# KiCad board lb_mp1.kicad_pcb
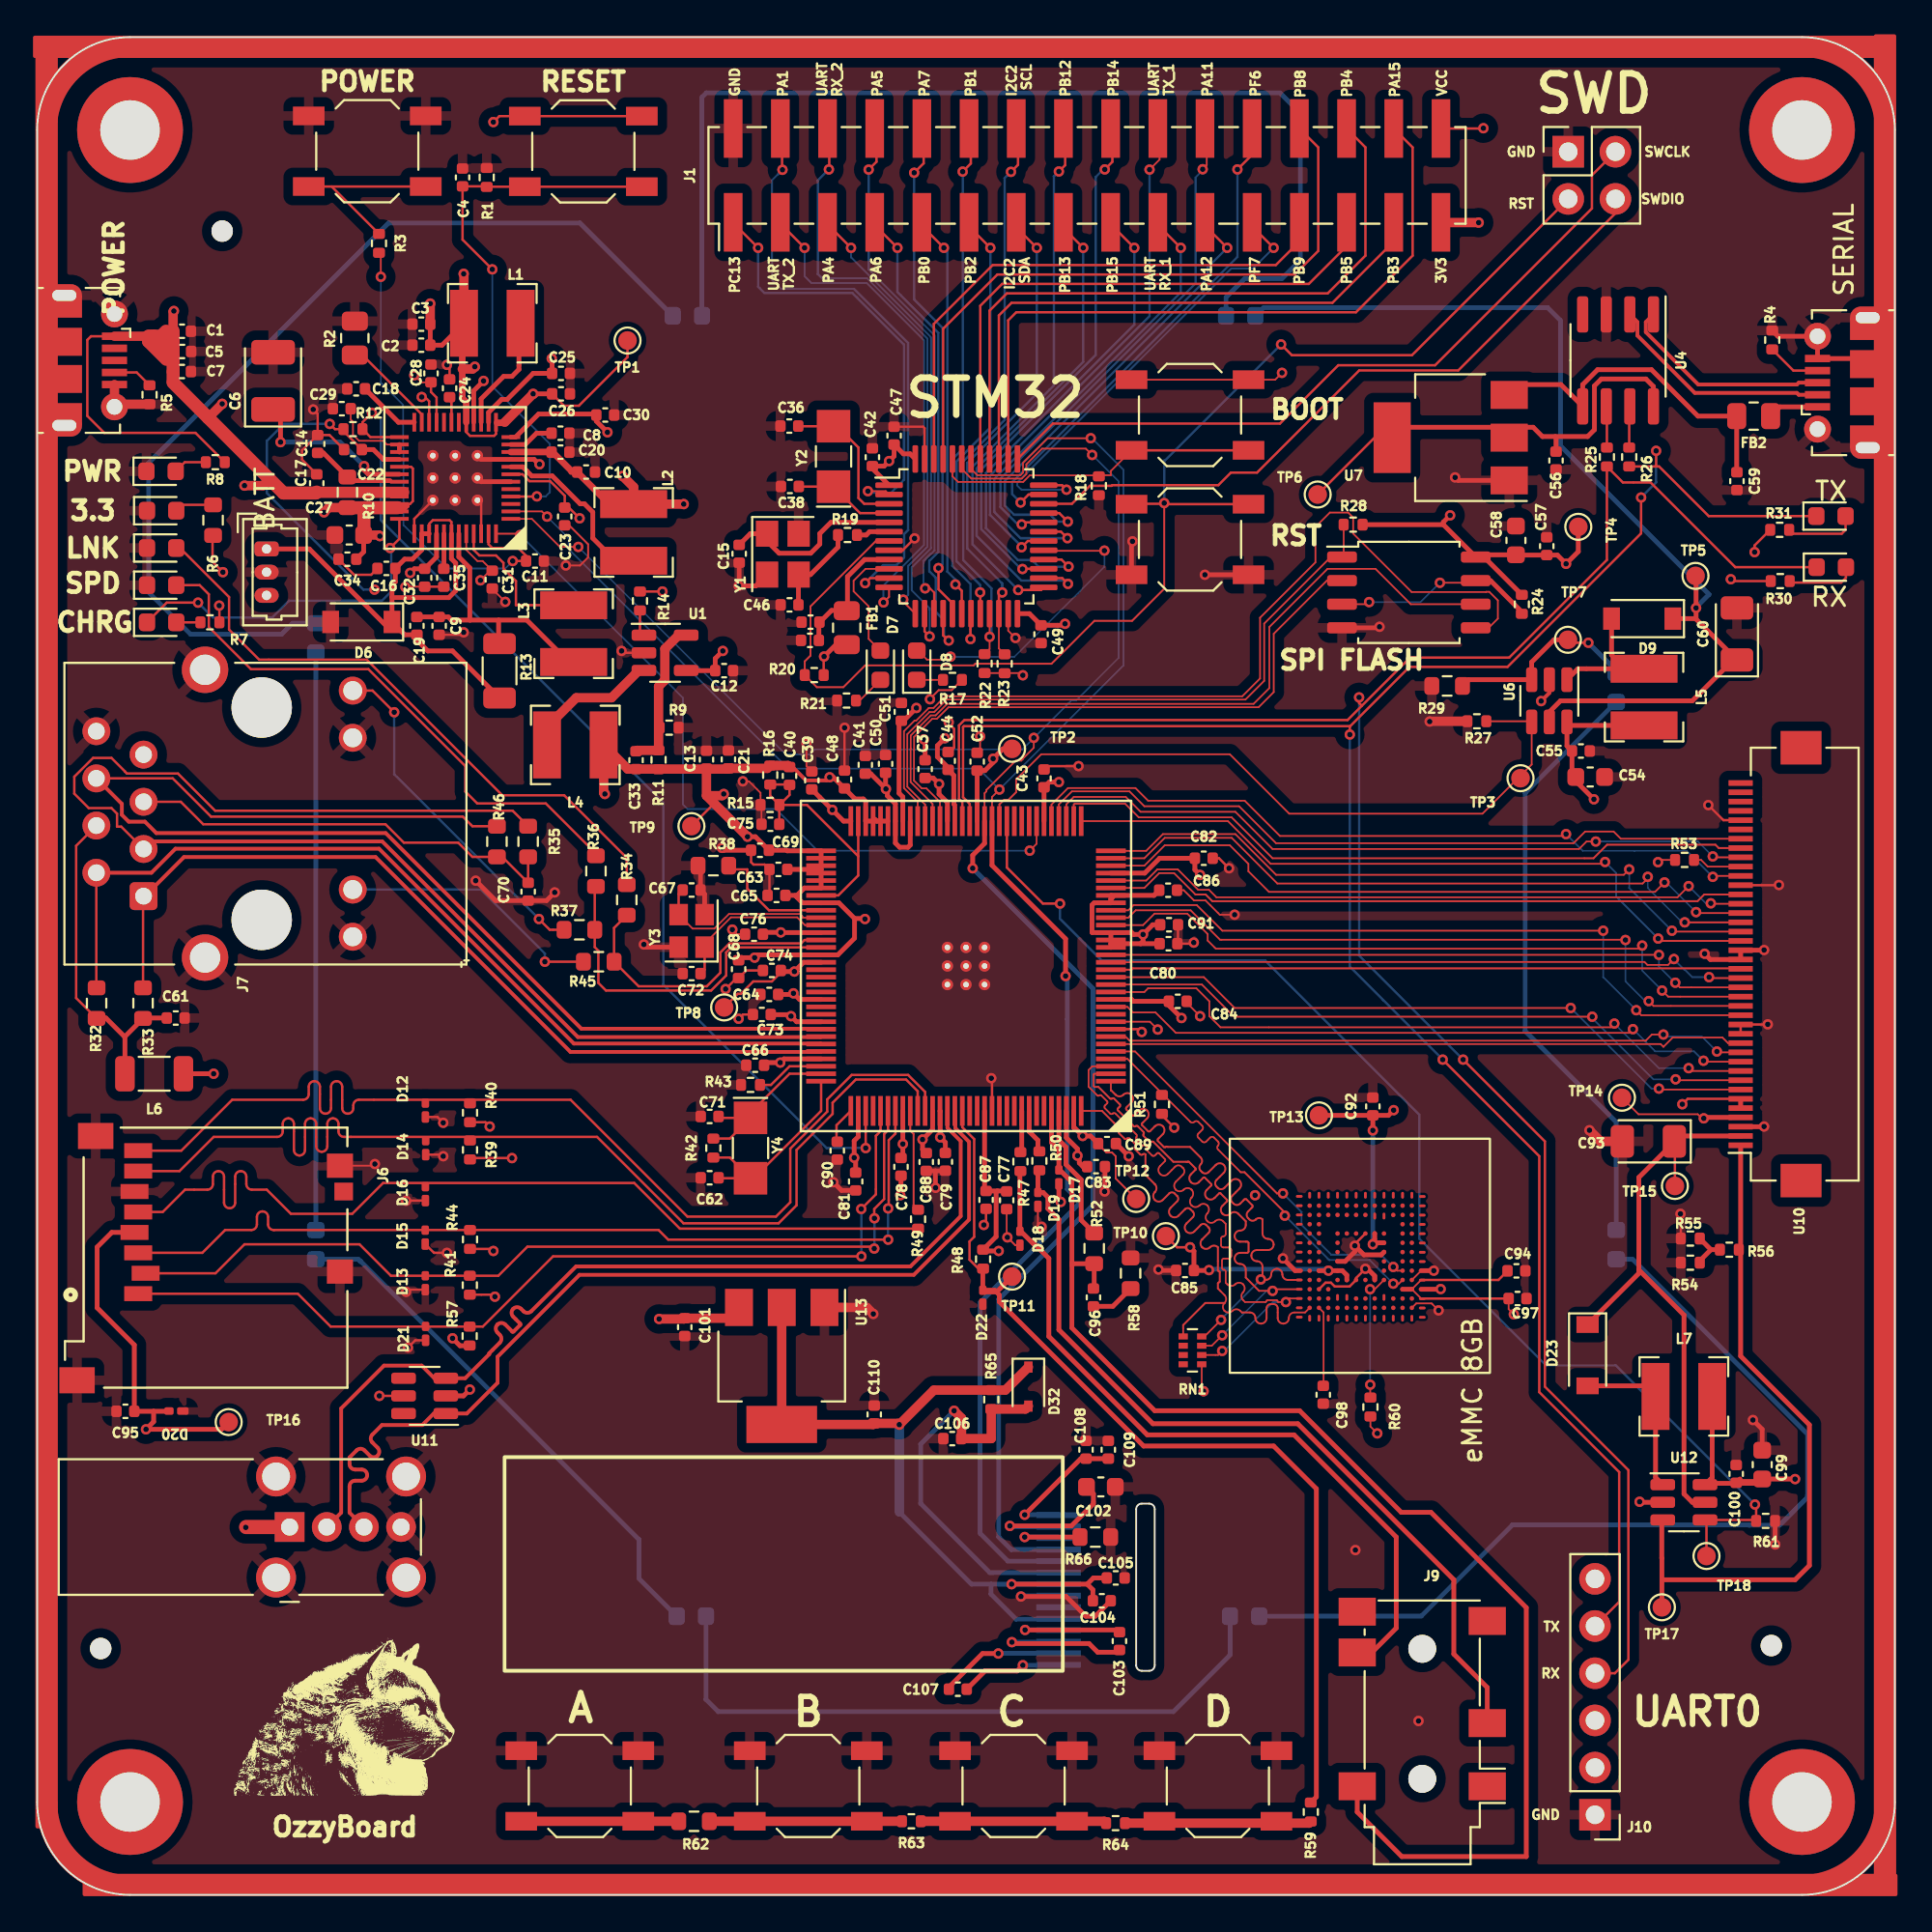
[diagram p0: board, top side]
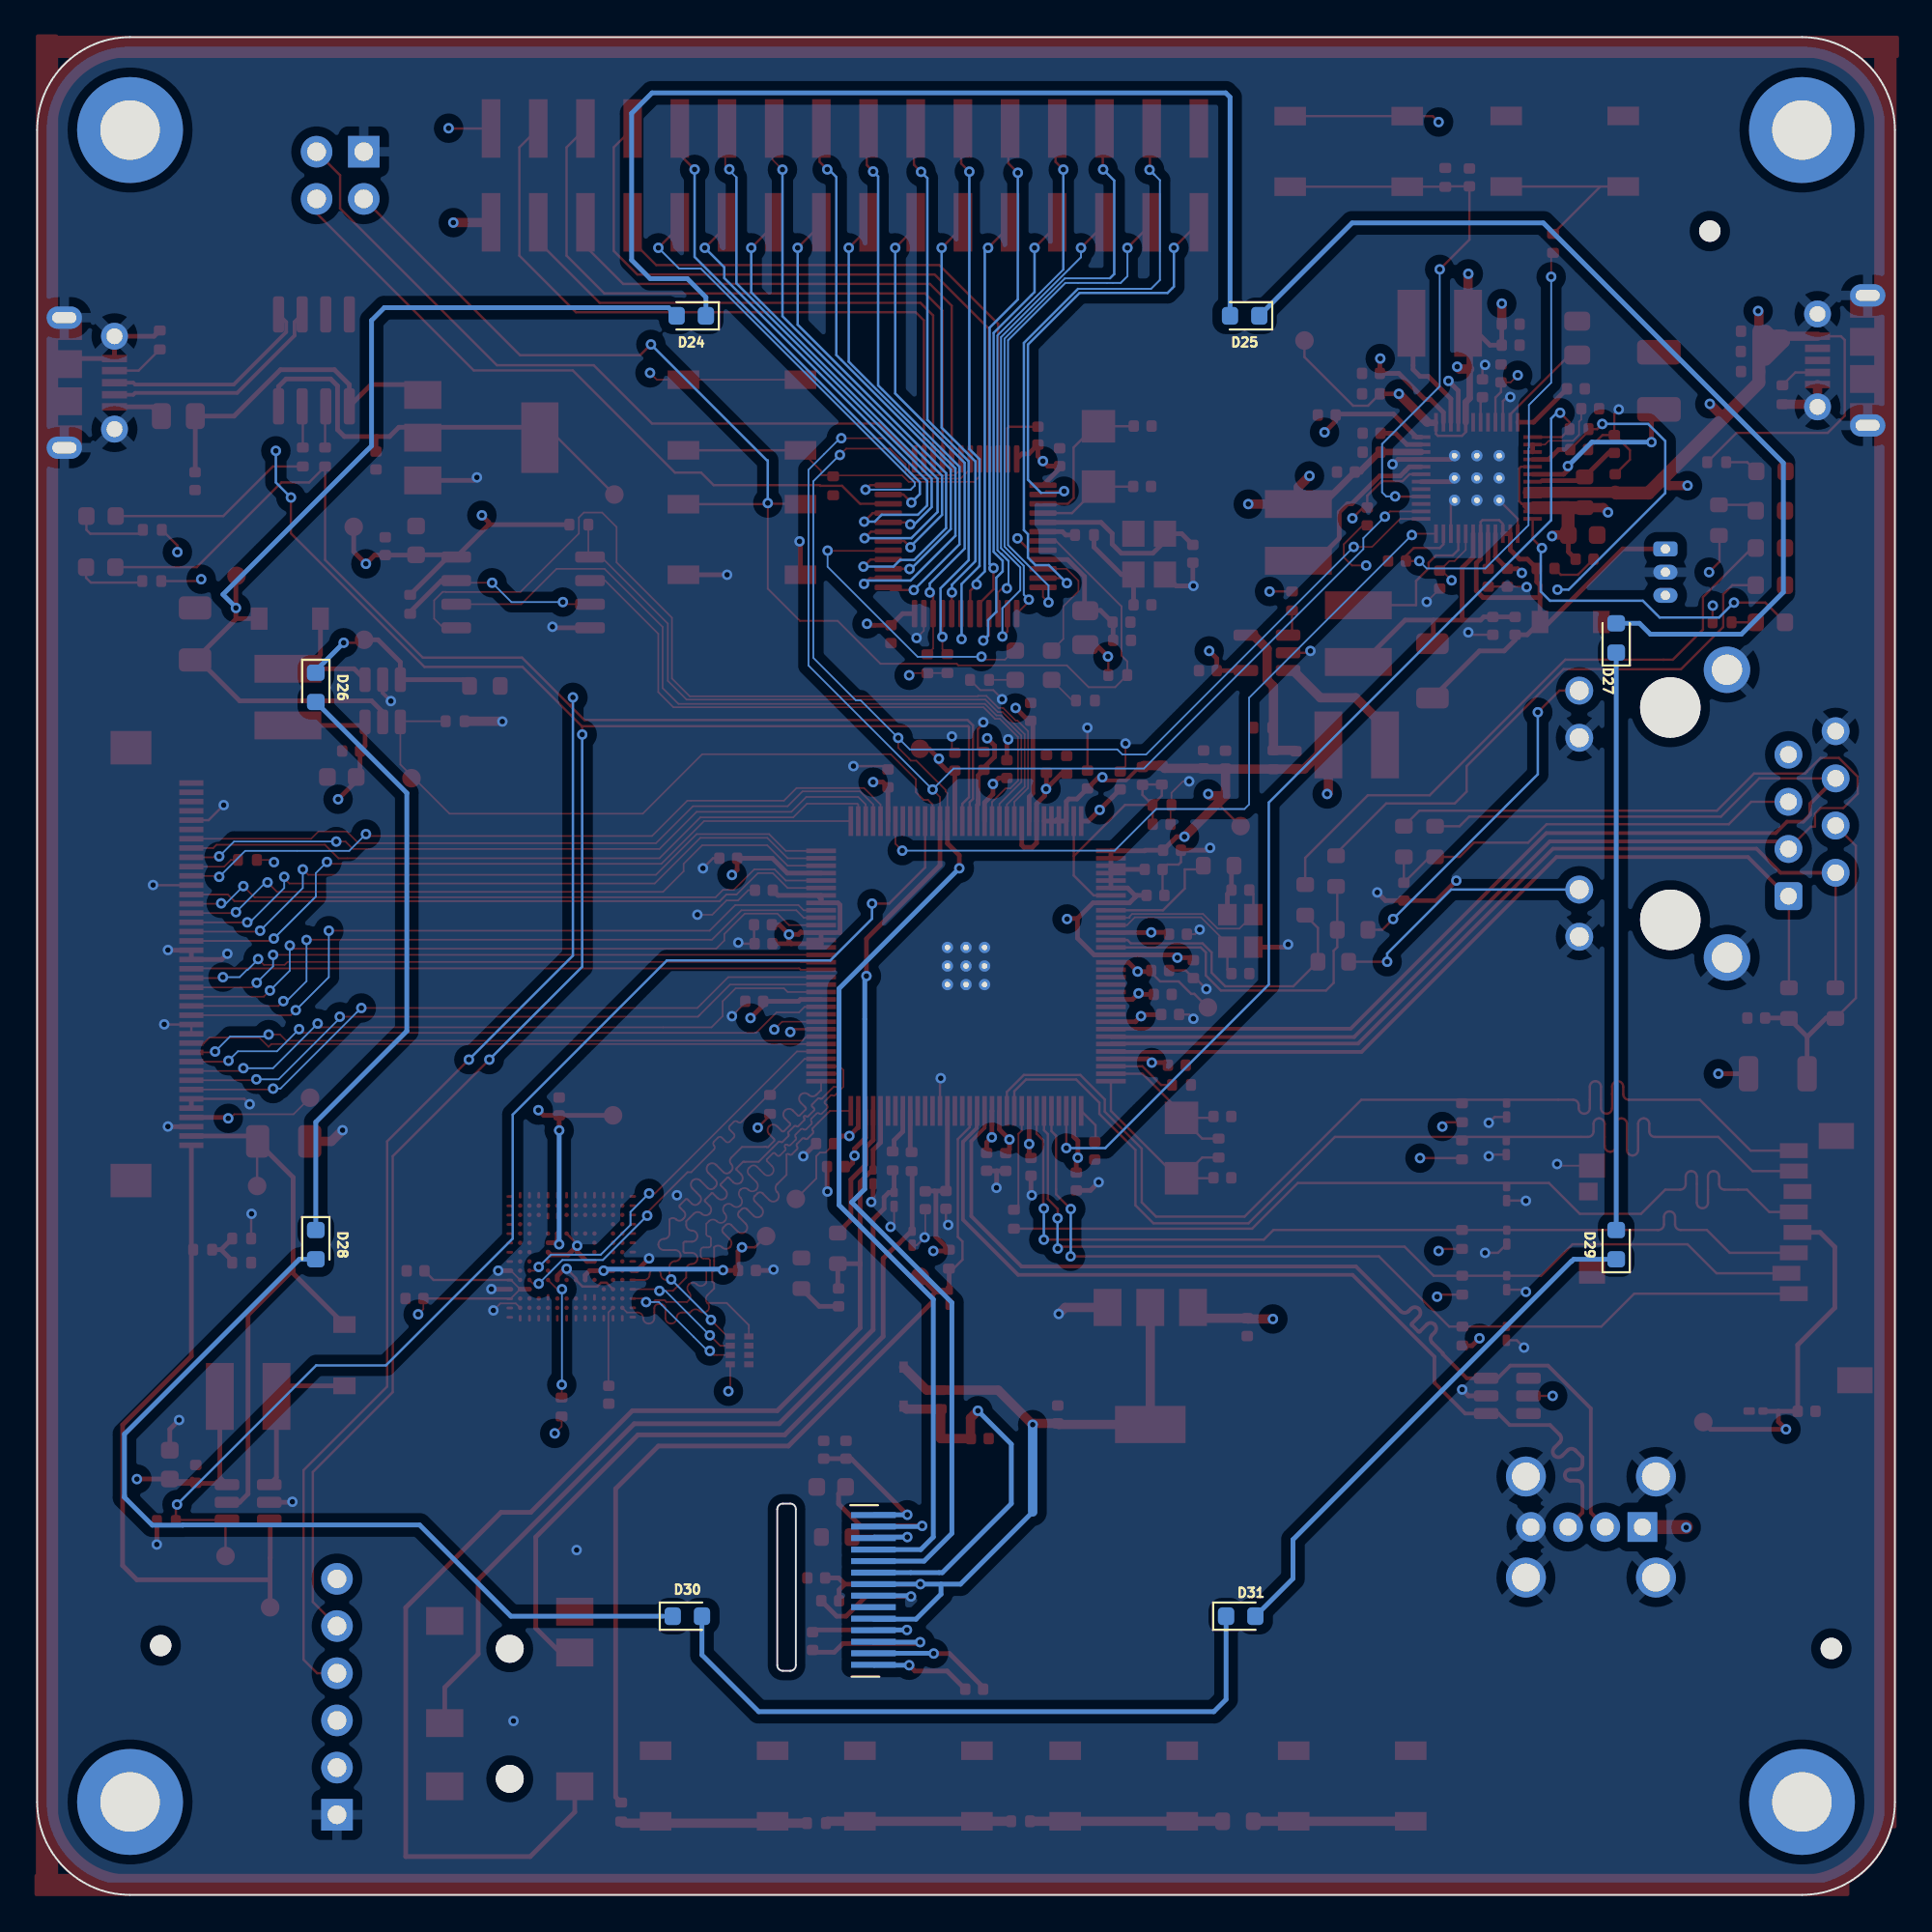
[diagram p1: board, bottom side, seen from below]

Outline 100 x 100 mm; copper layers: Top, Ground plance (plane), Power plane (plane), Bottom. Coordinates in mm from the lower left corner of the outline.
Outline path: 0,95 0,5 arc(1.46,1.46) 5,0 95,0 arc(98.54,1.46) 100,5 100,95 arc(98.54,98.54) 95,100 5,100 arc(1.46,98.54) 0,95 ; 59.16,20.76 59.16,12.36 arc(59.25,12.15) 59.46,12.06 59.86,12.06 arc(60.07,12.15) 60.16,12.36 60.16,20.76 arc(60.07,20.97) 59.86,21.06 59.46,21.06 arc(59.25,20.97) 59.16,20.76
Stack: Top 0.035mm / dielectric 1.51mm FR4 er 4.5 / Ground plance 0.035mm / dielectric 1.51mm FR4 er 4.5 / Power plane 0.035mm / dielectric 1.51mm FR4 er 4.5 / Bottom 0.035mm

## Placement (name value [footprint] x y rotation side)
C1  10nF  [C_0402_1005Metric]  7.8 84.17 0 top
C2  10uF  [C_0402_1005Metric]  20.68 83.42 180 top
C3  1nF  [C_0402_1005Metric]  20.68 84.55 180 top
C4  100pF  [C_0402_1005Metric]  22.9 92.45 270 top
C5  10uF  [C_0402_1005Metric]  7.81 83.08 0 top
C6  100uF  [CP_EIA-3528-21_Kemet-B]  12.7 81.5 90 top
C7  100n  [C_0402_1005Metric]  7.8 82 0 top
C8  4.7uF  [C_0402_1005Metric]  28.17 78.68 0 top
C9  10uF  [C_0402_1005Metric]  21.64 68.31 270 top
C10  1nF  [C_0402_1005Metric]  29.55 76.59 0 top
C11  100pF  [C_0402_1005Metric]  26.8 71.8 180 top
C12  10uF  [C_0402_1005Metric]  36.98 65.9 0 top
C13  10uF  [C_0402_1005Metric]  36.03 61.11 90 top
C14  4.7uF  [C_0402_1005Metric]  15.1 78.1 90 top
C15  12pF  [C_0402_1005Metric]  37.79 72.19 270 top
C16  10uF  [C_0402_1005Metric]  18.8 71.4 180 top
C17  10uF  [C_0402_1005Metric]  15.05 75.99 270 top
C18  1uF  [C_0402_1005Metric]  17.17 81.07 0 top
C19  1uF  [C_0402_1005Metric]  20.44 68.31 90 top
C20  10uF  [C_0402_1005Metric]  28.17 77.66 0 top
C21  100n  [C_0402_1005Metric]  37.21 61.12 90 top
C22  1uF  [C_0402_1005Metric]  17 77.8 0 top
C23  10uF  [C_0402_1005Metric]  28.4 74.2 270 top
C24  4.7uF  [C_0402_1005Metric]  22.2 81.1 270 top
C25  10uF  [C_0402_1005Metric]  28.2 81.9 0 top
C26  10uF  [C_0402_1005Metric]  28.2 80.8 0 top
C27  10uF  [C_0603_1608Metric]  16.8 73.2 180 top
C28  220nF  [C_0402_1005Metric]  21.2 81.9 90 top
C29  1uF  [C_0402_1005Metric]  16.4 80 180 top
C30  4.7uF  [C_0402_1005Metric]  30.58 79.66 180 top
C31  10uF  [C_0402_1005Metric]  24.5 70.8 270 top
C32  4.7uF  [C_0402_1005Metric]  21.89 70.9 90 top
C33  100n  [C_0402_1005Metric]  32.24 61.08 90 top
C34  220nF  [C_0402_1005Metric]  16.7 71.9 180 top
C35  10uF  [C_0402_1005Metric]  20.86 70.9 270 top
C36  18pf  [C_0402_1005Metric]  40.49 79.06 180 top
C37  100n  [C_0402_1005Metric]  47.8 60.6 90 top
C38  18pf  [C_0402_1005Metric]  40.52 75.81 180 top
C39  100n  [C_0402_1005Metric]  41.7 59.99 90 top
C40  100n  [C_0402_1005Metric]  40.5 60.23 270 top
C41  100n  [C_0402_1005Metric]  44.58 60.83 90 top
C42  4.7uF  [C_0402_1005Metric]  44.96 77.39 270 top
C43  100n  [C_0402_1005Metric]  54.2 60.1 90 top
C44  10uF  [C_0402_1005Metric]  49.04 61.04 90 top
C45  4.7uF  [C_0402_1005Metric]  41.63 68.51 0 top
C46  12pF  [C_0402_1005Metric]  40.5 69.44 180 top
C47  100pF  [C_0402_1005Metric]  46.13 78.55 270 top
C48  100n  [C_0402_1005Metric]  43.46 60.04 90 top
C49  100pF  [C_0402_1005Metric]  54.04 67.86 90 top
C50  100n  [C_0402_1005Metric]  45.67 60.88 90 top
C51  100n  [C_0402_1005Metric]  46.52 63.68 90 top
C52  100n  [C_0402_1005Metric]  50.6 61 90 top
C53  100pF  [C_0402_1005Metric]  41.6 67.53 0 top
C54  10uF  [C_0603_1608Metric]  83.6 60.17 0 top
C55  100n  [C_0402_1005Metric]  83.1 61.58 0 top
C56  100n  [C_0402_1005Metric]  81.76 77.21 270 top
C57  100n  [C_0402_1005Metric]  81.26 72.6 90 top
C58  10uF  [C_0603_1608Metric]  79.6 72.91 90 top
C59  100n  [C_0402_1005Metric]  91.5 76.1 270 top
C60  10uF/50V  [LED_1206_3216Metric]  91.5 67.88 90 top
C61  100n  [C_0402_1005Metric]  7.46 47.2 0 top
C62  18pf  [C_0402_1005Metric]  36.2 38.6 180 top
C63  1uF  [C_0402_1005Metric]  39.9 55.2 180 top
C64  100n  [C_0402_1005Metric]  39.41 48.47 180 top
C65  100n  [C_0402_1005Metric]  39.8 53.8 180 top
C66  1uF  [C_0402_1005Metric]  38.65 44.66 180 top
C67  18pf  [C_0402_1005Metric]  35.23 54.09 0 top
C68  1uF  [C_0402_1005Metric]  37.76 49.83 270 top
C69  10uF  [C_0402_1005Metric]  38.91 56.23 180 top
C70  100n  [C_0402_1005Metric]  26.43 54 270 top
C71  18pf  [C_0402_1005Metric]  36.2 41.9 180 top
C72  18pf  [C_0402_1005Metric]  35.23 49.59 180 top
C73  1uF  [C_0402_1005Metric]  39.01 47.39 180 top
C74  100n  [C_0402_1005Metric]  39.55 49.76 180 top
C75  100n  [C_0402_1005Metric]  39.47 57.63 180 top
C76  100n  [C_0402_1005Metric]  38.59 51.71 180 top
C77  100n  [C_0402_1005Metric]  52.19 37.39 270 top
C78  100n  [C_0402_1005Metric]  46.5 39.19 270 top
C79  100n  [C_0402_1005Metric]  48.89 39.46 270 top
C80  10uF  [C_0402_1005Metric]  60.9 51.2 0 top
C81  100n  [C_0402_1005Metric]  44.06 38.4 270 top
C82  100n  [C_0402_1005Metric]  62.8 55.8 0 top
C83  1uF  [C_0402_1005Metric]  57 39.2 0 top
C84  100n  [C_0402_1005Metric]  61.4 48.1 0 top
C85  100n  [C_0402_1005Metric]  61.79 33.61 180 top
C86  1uF  [C_0402_1005Metric]  60.88 54.08 0 top
C87  10uF  [C_0402_1005Metric]  51.08 37.41 270 top
C88  1uF  [C_0402_1005Metric]  47.86 39.45 270 top
C89  1uF  [C_0402_1005Metric]  57.59 40.44 0 top
C90  4.7uF  [C_0402_1005Metric]  43.07 40.06 90 top
C91  10uF  [C_0402_1005Metric]  60.93 52.22 0 top
C92  100n  [C_0402_1005Metric]  71.9 42.44 90 top
C93  10uF/50V  [LED_1206_3216Metric]  86.73 40.56 180 top
C94  4.7uF  [C_0402_1005Metric]  79.63 33.59 0 top
C95  100n  [C_0402_1005Metric]  4.75 26.03 180 top
C96  100n  [C_0402_1005Metric]  56.86 32.16 90 top
C97  4.7uF  [C_0402_1005Metric]  79.69 32.1 0 top
C98  1uF  [C_0402_1005Metric]  69.23 26.92 270 top
C99  10uF  [C_0603_1608Metric]  92.86 23.16 90 top
C100  100n  [C_0402_1005Metric]  91.46 22.66 90 top
C101  100n  [C_0402_1005Metric]  34.86 30.56 270 top
C102  2.2uF  [C_0603_1608Metric]  57.26 21.96 180 top
C103  1uF  [C_0402_1005Metric]  58.26 13.66 270 top
C104  4.7uF  [C_0402_1005Metric]  57.31 15.83 0 top
C105  4.7uF  [C_0402_1005Metric]  58.06 17.06 0 top
C106  4.7uF  [C_0402_1005Metric]  49.26 24.56 0 top
C107  1uF  [C_0402_1005Metric]  49.56 11.07 0 top
C108  4.7uF  [C_0402_1005Metric]  56.46 23.96 90 top
C109  100n  [C_0402_1005Metric]  57.66 23.96 270 top
C110  100n  [C_0402_1005Metric]  45.06 25.86 270 top
D1  CHRG  [LED_0603_1608Metric]  6.7 68.5 0 top
D2  3.3  [LED_0603_1608Metric]  6.7 74.51 0 top
D3  PWR  [LED_0603_1608Metric]  6.67 76.63 0 top
D4  SPD  [LED_0603_1608Metric]  6.7 70.5 0 top
D5  LNK  [LED_0603_1608Metric]  6.7 72.5 0 top
D6  1N5819WS  [D_SOD-123]  17.45 68.52 180 top
D7  LED  [LED_0603_1608Metric]  45.39 66.19 90 top
D8  LED  [LED_0603_1608Metric]  47.35 66.19 90 top
D9  1N5819WS  [D_SOD-123]  86.4 68.7 180 top
D10  TX  [LED_0603_1608Metric]  96.56 74.22 0 top
D11  RX  [LED_0603_1608Metric]  96.58 71.47 0 top
D12  ESD5451X-2/TR  [ESD5451X-2]  20.9 42.2 90 top
D13  ESD5451X-2/TR  [ESD5451X-2]  20.89 32.91 90 top
D14  ESD5451X-2/TR  [ESD5451X-2]  20.92 40.17 90 top
D15  ESD5451X-2/TR  [ESD5451X-2]  20.89 35.36 90 top
D16  ESD5451X-2/TR  [ESD5451X-2]  20.9 37.7 90 top
D17  ESD5451X-2/TR  [ESD5451X-2]  55 38.6 90 top
D18  ESD5451X-2/TR  [ESD5451X-2]  52.9 35.3 90 top
D19  ESD5451X-2/TR  [ESD5451X-2]  53.87 37.39 90 top
D20  ESD5451X-2/TR  [ESD5451X-2]  7.52 26.05 180 top
D21  ESD5451X-2/TR  [ESD5451X-2]  20.91 30.18 90 top
D22  ESD5451X-2/TR  [ESD5451X-2]  50.91 32.12 90 top
D23  1N5819WS  [D_SOD-123]  83.46 29.05 270 top
D24  LED  [LED_0603_1608Metric]  64.79 85 0 bottom
D25  LED  [LED_0603_1608Metric]  35 85 0 bottom
D26  LED  [LED_0603_1608Metric]  85 65 270 bottom
D27  LED  [LED_0603_1608Metric]  15 67.66 90 bottom
D28  LED  [LED_0603_1608Metric]  85 35 270 bottom
D29  LED  [LED_0603_1608Metric]  15 35 90 bottom
D30  LED  [LED_0603_1608Metric]  65 15 180 bottom
D31  LED  [LED_0603_1608Metric]  35.21 15 180 bottom
D32  4148  [D_SOD-323]  53.36 27.36 270 top
FB1  FerriteBead  [R_0805_2012Metric]  43.58 68.21 270 top
FB2  FerriteBead  [R_0805_2012Metric]  92.4 79.6 180 top
G***  -  [LOGO]  16.56 9.66 0 top
H1  MountingHole  [MountingHole_3.2mm_M3_ISO7380_Pad]  5 95 180 top
H2  MountingHole  [MountingHole_3.2mm_M3_ISO7380_Pad]  95 95 180 top
H3  MountingHole  [MountingHole_3.2mm_M3_ISO7380_Pad]  5 5 180 top
H4  MountingHole  [MountingHole_3.2mm_M3_ISO7380_Pad]  95 5 180 top
J1  Conn_02x16_Odd_Even  [PinHeader_2x16_P2.54mm_Vertical_SMD]  56.52 92.56 90 top
J2  SWD  [PinHeader_2x02_P2.54mm_Vertical]  82.42 93.83 0 top
J3  BATT  [Molex_PicoBlade_53047-0310_1x03_P1.25mm_Vertical]  12.35 72.45 270 top
J4  POWER  [USB_Micro-B_Molex-105017-0001]  2.7 82.6 270 top
J5  SERIAL  [USB_Micro-B_Molex-105017-0001]  97.3 81.4 90 top
J6  47352-1001  [MOLEX_47352-1001]  9.1 34.3 270 top
J7  RJ45_LED_Shielded  [RJ45_Hanrun_HR911105A]  5.73 53.76 90 top
J8  USB_HOST  [USB_A_Wuerth_614004134726_Horizontal]  13.59 19.8 0 top
J9  AudioJack4_SwitchTR1  [Jack_3.5mm_PJ311_Horizontal]  74.56 10.54 180 top
J10  UART_Header  [PinHeader_1x06_P2.54mm_Vertical]  83.86 4.31 180 top
L1  4.7uH 1.1A 0.1R  [L_Bourns-SRN4018]  24.5 84.6 0 top
L2  4.7uH 1.1A 0.1R  [L_Bourns-SRN4018]  32.11 73.34 270 top
L3  4.7uH 1.1A 0.1R  [L_Bourns-SRN4018]  28.88 67.89 270 top
L4  4.7uH 1.1A 0.1R  [L_Bourns-SRN4018]  28.97 61.9 0 top
L5  4.7uH 1.1A 0.1R  [L_Bourns-SRN4018]  86.5 64.47 90 top
L6  10uH  [L_1206_3216Metric]  6.3 44.2 180 top
L7  4.7uH 1.1A 0.1R  [L_Bourns-SRN4018]  88.64 26.83 180 top
NOREF  -  [unnamed]  3.42 13.26 0 top
NOREF#2  -  [unnamed]  93.35 13.42 0 top
R1  1k  [R_0402_1005Metric]  24.2 92.45 270 top
R2  200k 1%  [R_0805_2012Metric]  17.1 83.8 270 top
R3  1k  [R_0402_1005Metric]  18.4 88.9 270 top
R4  47k  [R_0402_1005Metric]  93.4 83.7 90 top
R5  47k  [R_0402_1005Metric]  6.05 80.75 270 top
R6  1k  [R_0603_1608Metric]  9.47 74 270 top
R7  2k2  [R_0402_1005Metric]  9.3 68.5 180 top
R8  2k2  [R_0402_1005Metric]  9.59 77.12 180 top
R9  100k  [R_0402_1005Metric]  34.02 62.83 0 top
R10  0R  [R_0603_1608Metric]  16.7 75.5 90 top
R11  200k  [R_0402_1005Metric]  33.45 61.1 90 top
R12  47k  [R_0402_1005Metric]  17 78.9 180 top
R13  0.03R  [R_1206_3216Metric]  24.89 65.89 270 top
R14  100k  [R_0402_1005Metric]  32.45 69.65 270 top
R15  2k  [R_0402_1005Metric]  39.45 58.67 180 top
R16  2k  [R_0402_1005Metric]  39.46 60.28 270 top
R17  220R  [R_0402_1005Metric]  49.27 65.4 0 top
R18  10k  [R_0402_1005Metric]  57.15 75.85 90 top
R19  47R  [R_0402_1005Metric]  43.62 73.2 0 top
R20  10k  [R_0402_1005Metric]  41.83 65.66 0 top
R21  1k  [R_0402_1005Metric]  43.57 64.29 180 top
R22  2k2  [R_0402_1005Metric]  51 66.28 270 top
R23  2k2  [R_0402_1005Metric]  52.08 66.27 270 top
R24  10k  [R_0402_1005Metric]  79.92 69.47 270 top
R25  1k  [R_0402_1005Metric]  84.5 77.4 90 top
R26  1k  [R_0402_1005Metric]  85.7 77.4 270 top
R27  4k7  [R_0402_1005Metric]  77.5 63.17 180 top
R28  10k  [R_0402_1005Metric]  70.84 73.76 180 top
R29  10R  [R_0603_1608Metric]  75.9 65.08 180 top
R30  1k  [R_0402_1005Metric]  93.83 70.72 0 top
R31  1k  [R_0402_1005Metric]  93.8 73.48 0 top
R32  49.9  [R_0603_1608Metric]  3.2 48 90 top
R33  49.9  [R_0603_1608Metric]  5.7 48 90 top
R34  220R  [R_0603_1608Metric]  31.74 53.56 270 top
R35  49.9  [R_0603_1608Metric]  26.43 56.7 270 top
R36  1k  [R_0603_1608Metric]  30.08 55.11 270 top
R37  1k  [R_0603_1608Metric]  29.19 51.95 0 top
R38  240R  [R_0603_1608Metric]  36.4 55.4 0 top
R39  10k  [R_0402_1005Metric]  23.3 40.1 90 top
R40  10k  [R_0402_1005Metric]  23.3 42.1 90 top
R41  10k  [R_0402_1005Metric]  23.29 32.82 90 top
R42  10M  [R_0402_1005Metric]  36.4 40.2 90 top
R43  6k8  [R_0402_1005Metric]  38.4 43.6 180 top
R44  10k  [R_0402_1005Metric]  23.3 35.28 90 top
R45  1k  [R_0603_1608Metric]  30.23 50.23 0 top
R46  49.9  [R_0603_1608Metric]  24.75 56.7 270 top
R47  33R  [R_0402_1005Metric]  52.93 39.47 90 top
R48  100k  [R_0402_1005Metric]  50.92 34.22 270 top
R49  33R  [R_0402_1005Metric]  47.42 36.37 90 top
R50  33R  [R_0402_1005Metric]  53.95 39.51 90 top
R51  10k  [R_0402_1005Metric]  60.55 42.55 90 top
R52  0R  [R_0603_1608Metric]  56.9 34.8 90 top
R53  10k  [R_0402_1005Metric]  88.68 55.71 0 top
R54  1R  [R_0402_1005Metric]  88.99 34.03 180 top
R55  1R  [R_0402_1005Metric]  88.99 35.33 180 top
R56  1R  [R_0402_1005Metric]  91.09 34.73 180 top
R57  10k  [R_0402_1005Metric]  23.28 30.08 90 top
R58  22R  [R_0603_1608Metric]  58.86 33.46 270 top
R59  6k8  [R_0402_1005Metric]  68.56 4.46 270 top
R60  10k  [R_0402_1005Metric]  71.77 26.26 90 top
R61  4k7  [R_0402_1005Metric]  93.04 20.13 0 top
R62  11k  [R_0603_1608Metric]  35.36 3.96 180 top
R63  10k  [R_0402_1005Metric]  47.06 3.96 180 top
R64  8k2  [R_0402_1005Metric]  58.05 3.86 180 top
R65  4k7  [R_0402_1005Metric]  51.36 26.66 270 top
R66  560k  [R_0603_1608Metric]  56.96 19.26 180 top
REF**  -  [MountingHole_2.1mm]  9.96 89.56 0 top
RN1  10k  [R_Array_Concave_4x0402]  62.19 29.31 180 top
SW1  RESET  [SW_SPST_TL3342]  29.4 93.85 180 top
SW2  POWER  [SW_SPST_TL3342]  17.77 93.86 180 top
SW3  RST  [SW_SPST_TL3342]  62.06 72.96 0 top
SW4  BOOT  [SW_SPST_TL3342]  62.06 79.66 180 top
SW5  A  [SW_SPST_TL3342]  29.21 5.86 180 top
SW6  B  [SW_SPST_TL3342]  41.51 5.86 180 top
SW7  C  [SW_SPST_TL3342]  52.56 5.86 180 top
SW8  D  [SW_SPST_TL3342]  63.56 5.86 180 top
TP1  TestPoint  [TestPoint_Pad_D1.0mm]  31.78 83.67 180 top
TP2  TestPoint  [TestPoint_Pad_D1.0mm]  52.48 61.69 180 top
TP3  TestPoint  [TestPoint_Pad_D1.0mm]  79.85 60.11 180 top
TP4  TestPoint  [TestPoint_Pad_D1.0mm]  82.96 73.64 90 top
TP5  TestPoint  [TestPoint_Pad_D1.0mm]  89.27 71 180 top
TP6  TestPoint  [TestPoint_Pad_D1.0mm]  68.93 75.38 180 top
TP7  TestPoint  [TestPoint_Pad_D1.0mm]  82.4 67.56 180 top
TP8  TestPoint  [TestPoint_Pad_D1.0mm]  36.98 47.77 180 top
TP9  TestPoint  [TestPoint_Pad_D1.0mm]  35.22 57.53 180 top
TP10  TestPoint  [TestPoint_Pad_D1.0mm]  60.76 35.46 180 top
TP11  TestPoint  [TestPoint_Pad_D1.0mm]  52.48 33.28 180 top
TP12  TestPoint  [TestPoint_Pad_D1.0mm]  59.16 37.46 180 top
TP13  TestPoint  [TestPoint_Pad_D1.0mm]  69 41.96 180 top
TP14  TestPoint  [TestPoint_Pad_D1.0mm]  85.31 42.91 180 top
TP15  TestPoint  [TestPoint_Pad_D1.0mm]  88.16 38.16 180 top
TP16  TestPoint  [TestPoint_Pad_D1.0mm]  10.31 25.45 180 top
TP17  TestPoint  [TestPoint_Pad_D1.0mm]  87.46 15.48 180 top
TP18  TestPoint  [TestPoint_Pad_D1.0mm]  89.86 18.24 180 top
U1  SY8088AAC  [SOT-23-5]  33.8 66.86 0 top
U2  AXP209  [AXP209-QFN48]  22.5 76.27 180 top
U3  STM32  [LQFP-48_7x7mm_P0.5mm]  50.02 73.13 0 top
U4  CH340N  [SOIC-8_3.9x4.9mm_P1.27mm]  85.1 82.6 270 top
U5  SPI FLASH  [SOIC-8_5.23x5.23mm_P1.27mm]  73.84 70.11 0 top
U6  SY7200AABC  [SOT-23-6]  81.4 64.27 270 top
U7  AMS1117-3.3  [SOT-223-3_TabPin2]  76.09 78.44 180 top
U8  V3S-split  [V3s-ELQFP-128]  50 50 180 top
U9  eMMC 8GB  [EMMC_JLCP]  71.2 34.4 90 top
U10  FPC_40  [Hirose_FH12-40S-0.5SH_1x40-1MP_P0.50mm_Horizontal]  93.55 50.1 90 top
U11  SRV05-4  [SOT-23-6]  20.86 26.86 180 top
U12  SY7200AABC  [SOT-23-6]  88.64 21.13 0 top
U13  AMS1117-3.3  [SOT-223-3_TabPin2]  40.08 28.47 270 top
U14  SSD1306_conn  [ssd1306_14]  51.88 16.07 90 bottom
Y1  16MHz  [Crystal_SMD_3225-4Pin_3.2x2.5mm]  40.14 72.17 270 top
Y2  32.768khz  [Crystal_SMD_MicroCrystal_CC7V-T1A-2Pin_3.2x1.5mm_HandSoldering]  42.87 77.43 90 top
Y3  24MHz  [Crystal_SMD_2520-4Pin_2.5x2.0mm]  35.23 51.89 90 top
Y4  32.768khz  [Crystal_SMD_MicroCrystal_CC7V-T1A-2Pin_3.2x1.5mm_HandSoldering]  38.4 40.2 270 top

## Library data of the parts
C1 = -: LCSC: C15195
C2 C5 C9 C12 C13 C16 C17 C20 C23 C25 C26 C31 C35 C44 C69 C80 C87 C91 = -: LCSC: C15525
C3 C10 = -: LCSC: C1523
C4 C11 C47 C49 C53 = -: LCSC: C1546
C6 = -: LCSC: C16133
C7 C21 C33 C37 C39-C41 C43 C48 C50-C52 C55-C57 C59 C61 C64 C65 C70 C74-C79 C81 C82 C84 C85 C92 C95 C96 C100 C101 C109 C110 = -: LCSC: C1525
C8 C14 C24 C30 C32 C42 C45 C90 C94 C97 C104-C106 C108 = -: LCSC: C23733
C15 C46 = -: LCSC: C1547
C18 C19 C22 C29 C63 C66 C68 C73 C83 C86 C88 C89 C98 C103 C107 = -: LCSC: C52923
C27 C54 C58 C99 = -: LCSC: C19702
C28 C34 = -: LCSC: C16772
C36 C38 C62 C67 C71 C72 = -: LCSC: C1549
C60 C93 = -: LCSC: C13585
C102 = -: LCSC: C23630
D1 D3 D10 D11 = -: LCSC: C2286
D2 D4 D7 = -: LCSC: C72038
D5 D8 = -: LCSC: C72043
D6 D9 D23 = -: LCSC: C8598
D12-D22 = -: LCSC: C239558
D32 = -: LCSC: C2128
FB1 FB2 = -: LCSC: C1017
J1 = -: LCSC: C3975161
J4 J5 = -: LCSC: C132350
J6 = -: LCSC: C293569
J7 = -: LCSC: C12074
J8 = -: LCSC: C720524
J9 = -: LCSC: C388632
L1-L5 L7 = -: LCSC: C354574
L6 = -: LCSC: C1051
R1 R3 R21 R25 R26 R30 R31 = -: LCSC: C11702
R2 = -: LCSC: C17539
R4 R5 R12 = -: LCSC: C25792
R6 R36 R37 R45 = -: LCSC: C21190
R7 R8 R22 R23 = -: LCSC: C25879
R9 R14 R48 = -: LCSC: C25741
R10 R52 = -: LCSC: C21189
R11 = -: LCSC: C25764
R13 = -: LCSC: C245439
R15 R16 = -: LCSC: C4109
R17 = -: LCSC: C25091
R18 R20 R24 R28 R39-R41 R44 R51 R53 R57 R60 R63 = -: LCSC: C25744
R19 = -: LCSC: C25118
R27 R61 R65 = -: LCSC: C25900
R29 = -: LCSC: C22859
R32 R33 R35 R46 = -: LCSC: C23185
R34 = -: LCSC: C22962
R38 = -: LCSC: C23350
R42 = -: LCSC: C26082
R43 R59 = -: LCSC: C25917
R47 R49 R50 = -: LCSC: C25105
R54-R56 = -: LCSC: C25086
R58 = -: LCSC: C23345
R62 = -: LCSC: C25950
R64 = -: LCSC: C25924
R66 = -: LCSC: C23203
RN1 = -: LCSC: C25725
SW1-SW8 = -: LCSC: C318884
U1 = -: LCSC: C79313
U2 = -: LCSC: C2997895
U3 = -: LCSC: C23922
U4 = -: LCSC: C506813
U5 = -: LCSC: C97521
U6 U12 = -: LCSC: C107309
U7 U13 = -: LCSC: C6186
U8 = -: LCSC: C2687449
U9 = -: LCSC: C719499
U10 = -: LCSC: C202114
U11 = -: LCSC: C85364
Y1 = -: LCSC: C13738
Y2 Y4 = -: LCSC: C32346
Y3 = -: LCSC: C255952
